# Altium PCB OZ440-SE100-CAR003.PcbDoc (part 1 of 5) (continued)
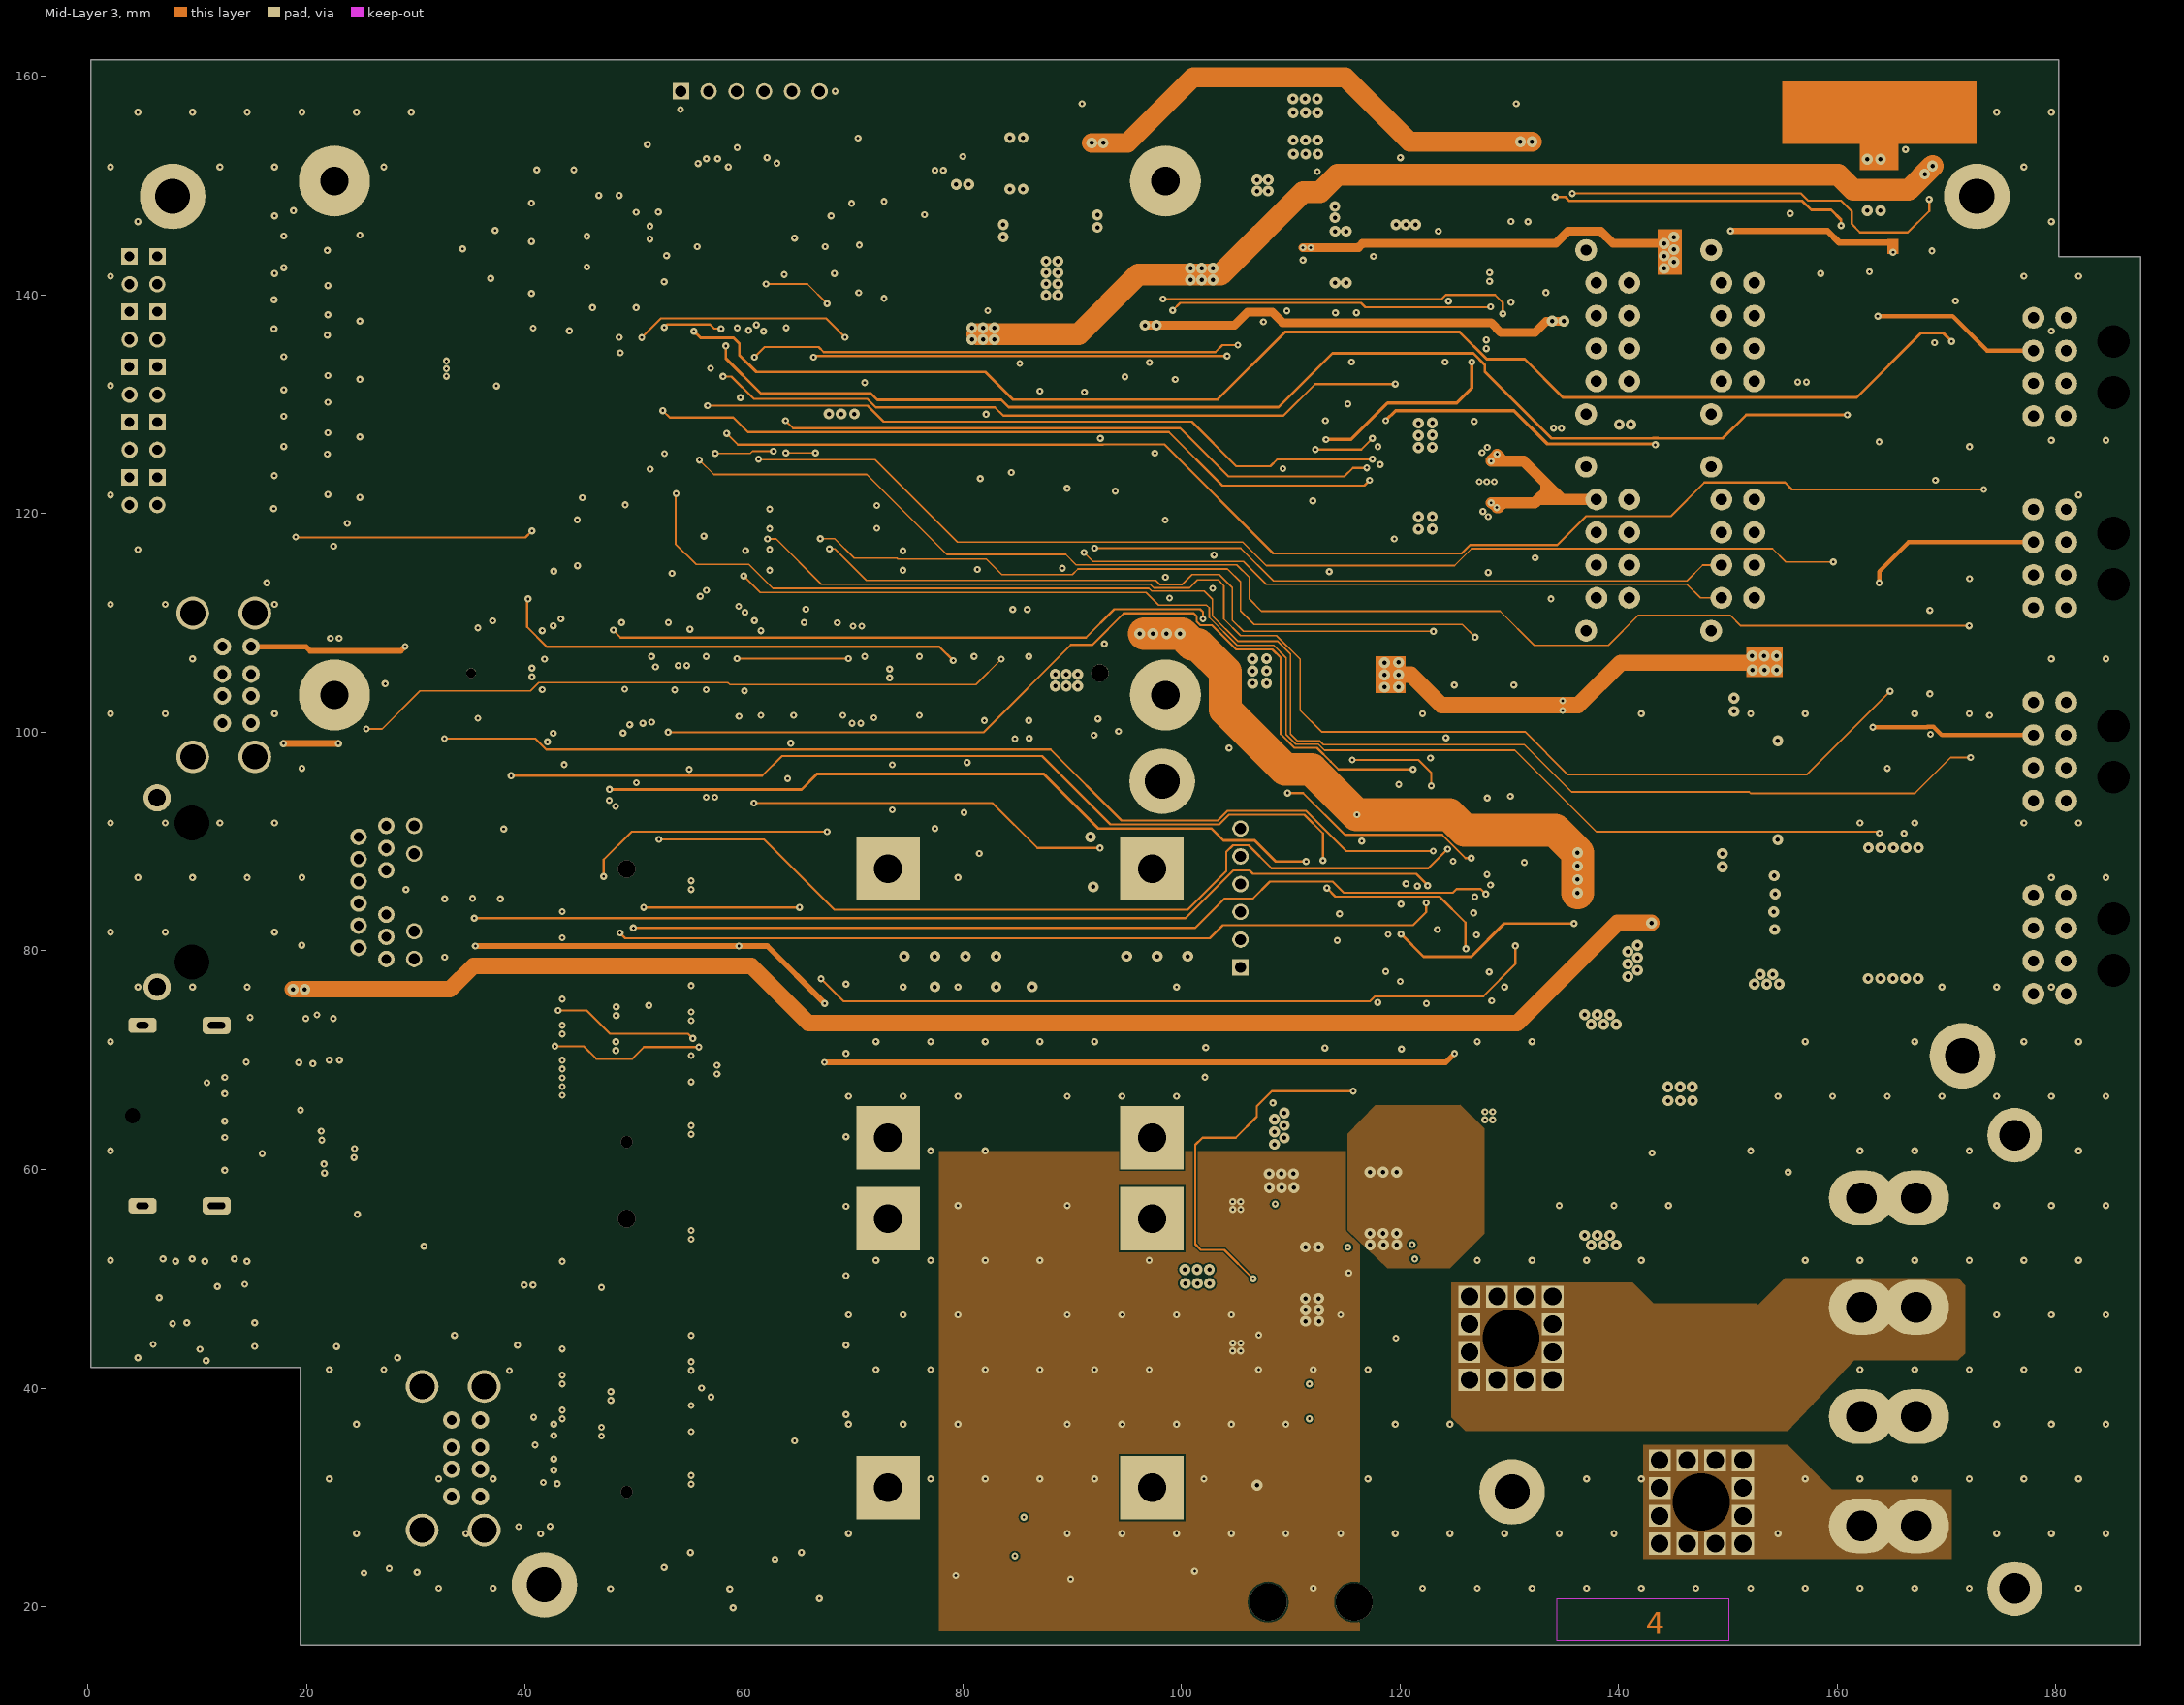
[diagram p4: Mid-Layer 3]
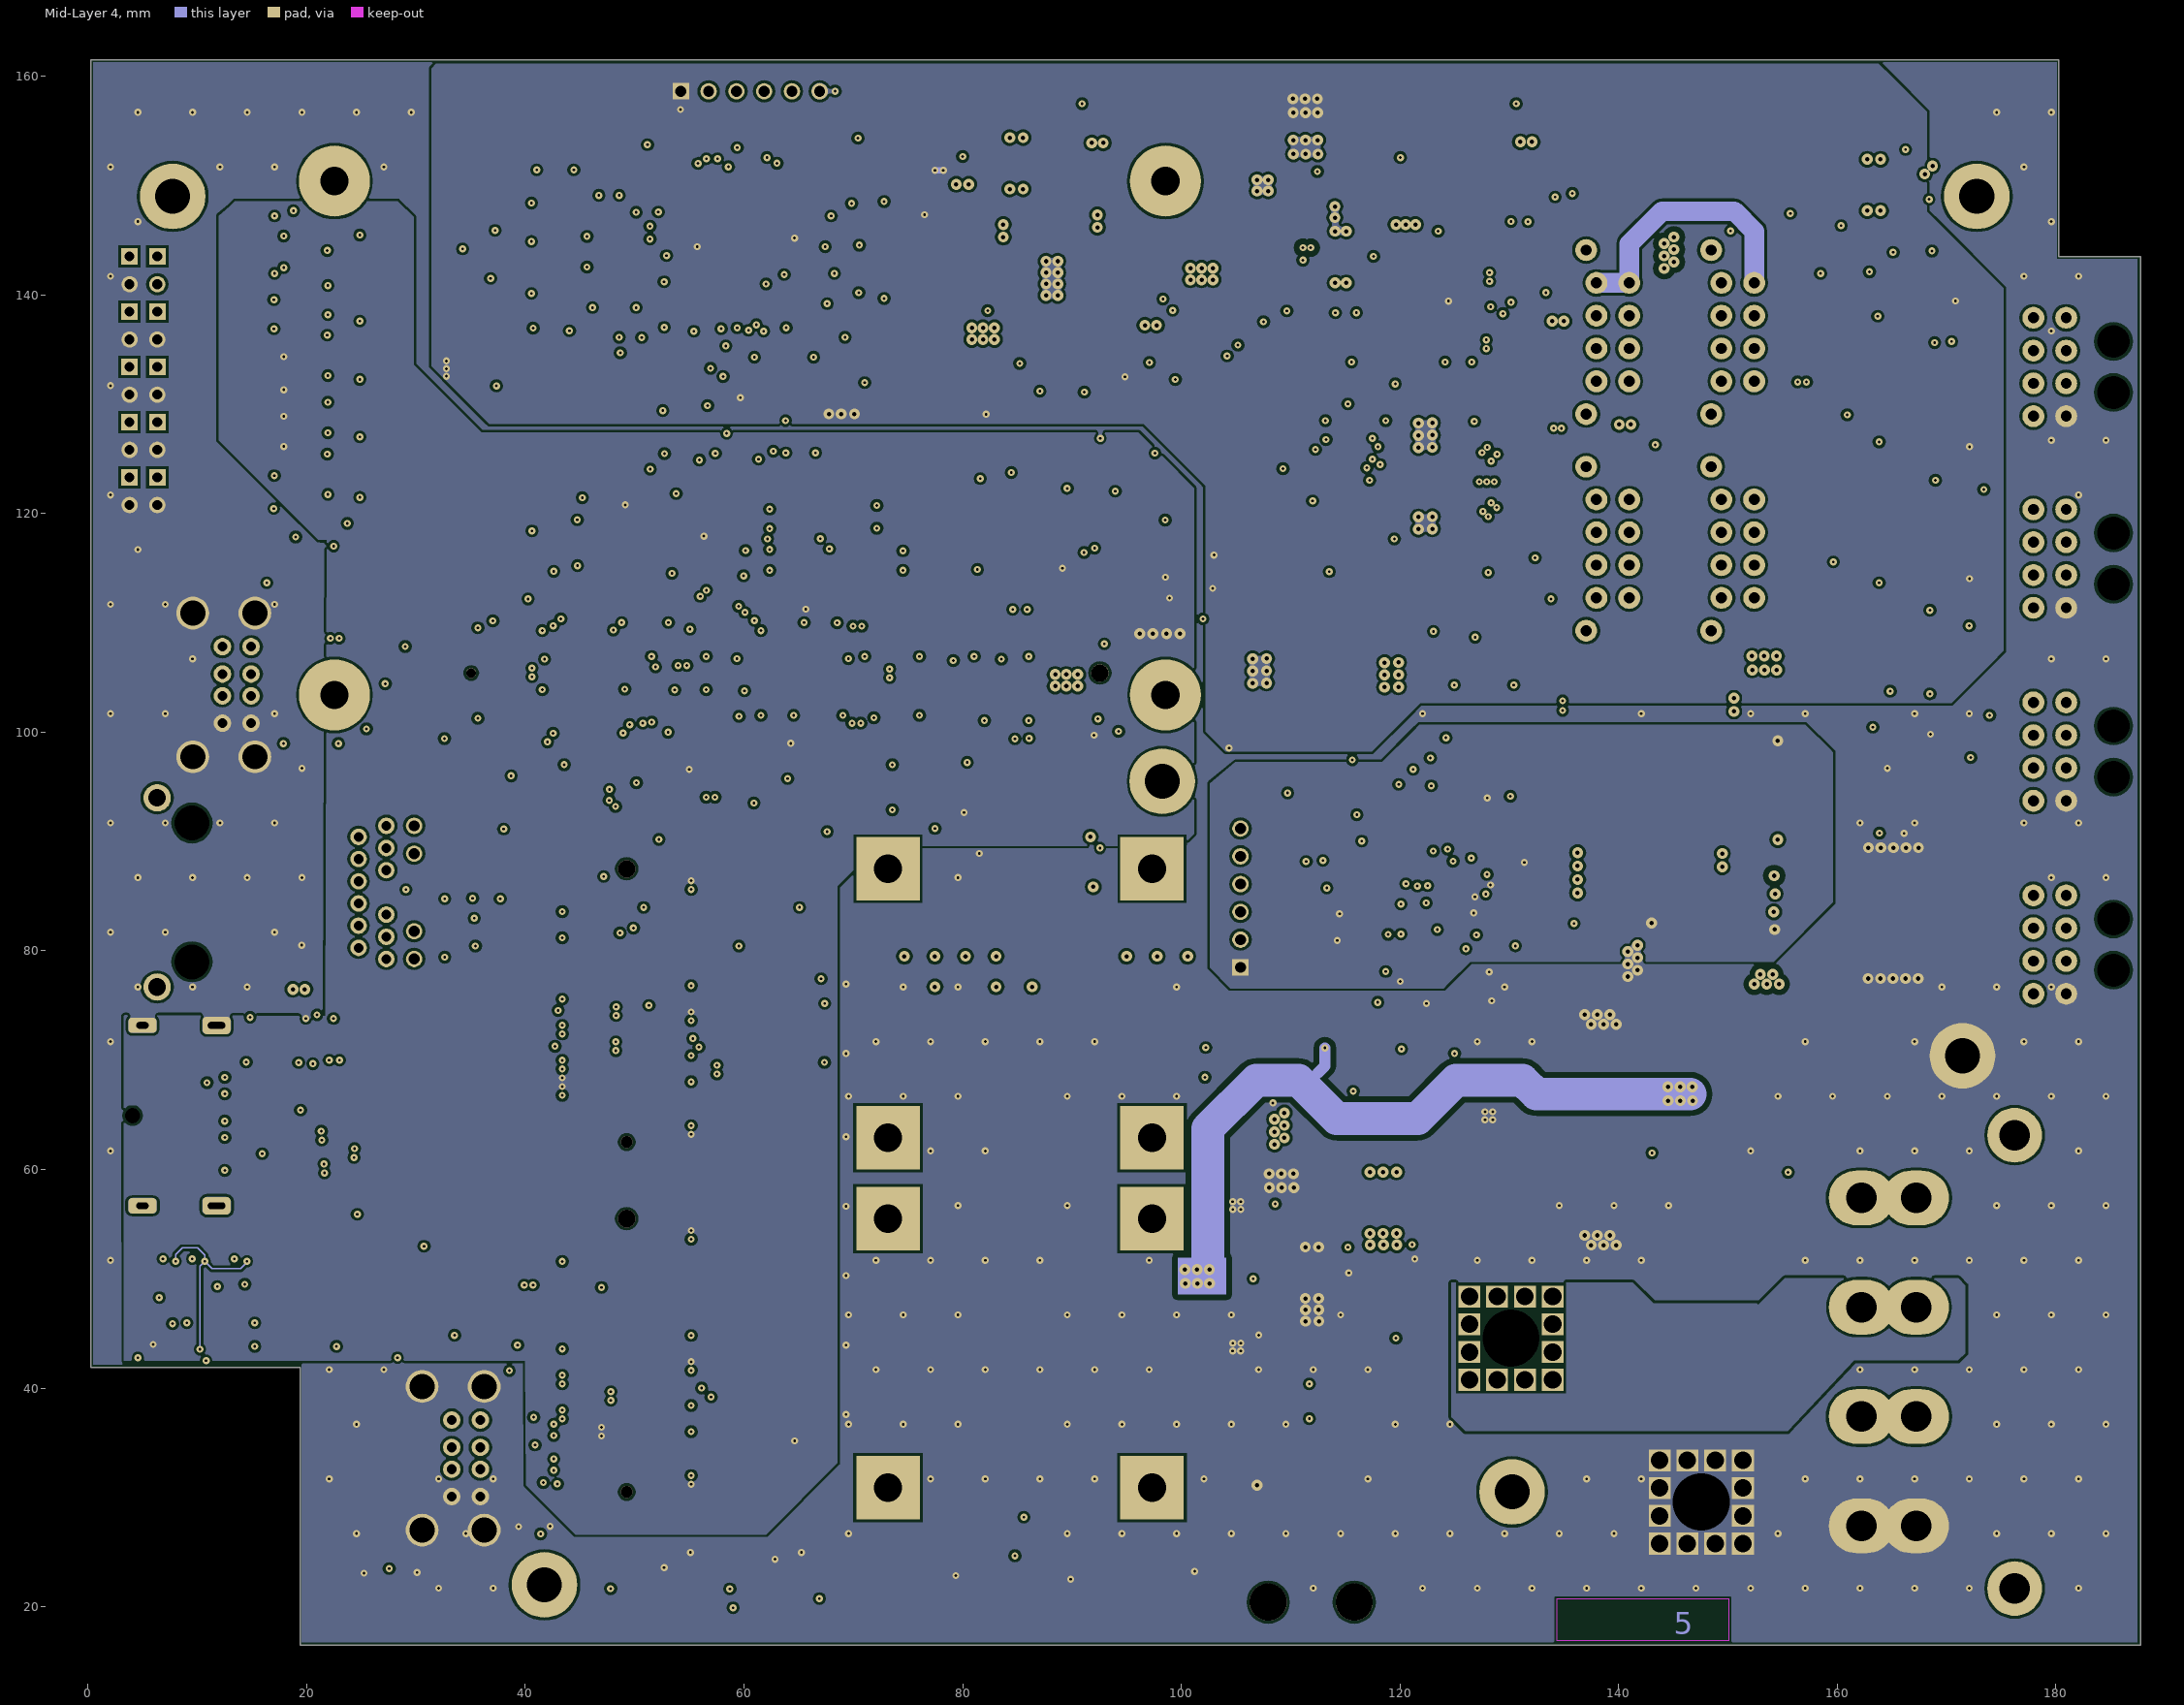
[diagram p5: Mid-Layer 4]
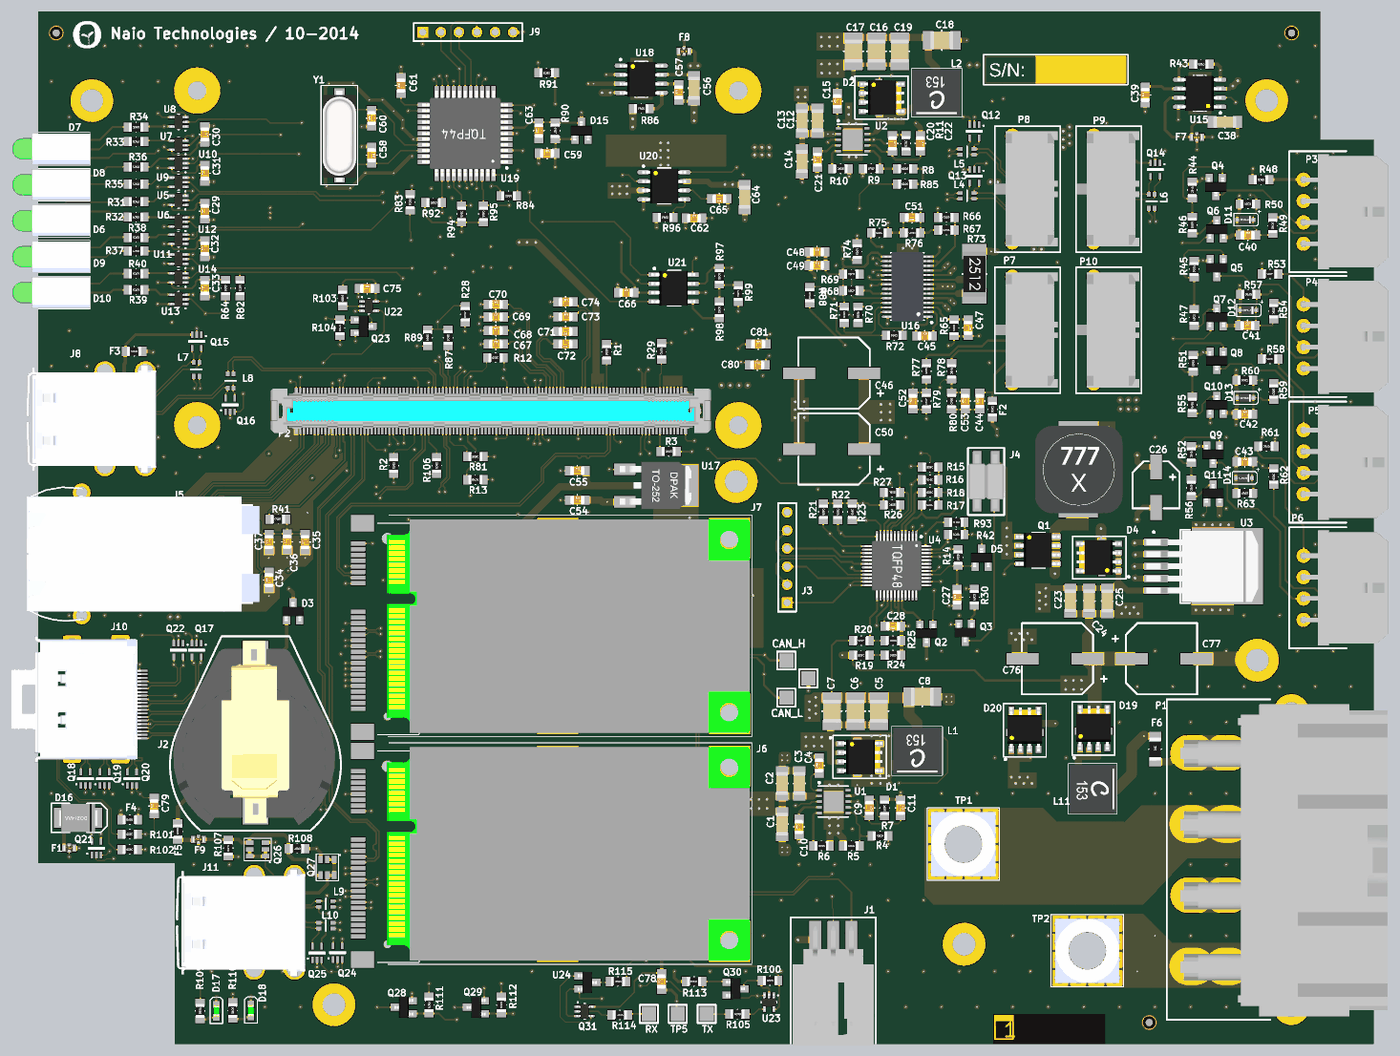
[diagram p10: 3D render of the assembled board from above, using the file's embedded part models]

## Layer stack, top to bottom
Top Layer: signal copper 0.0356
Dielectric: prepreg 0.123, FR-4, Dk 4.8
Mid-Layer 1: signal copper 0.0356
Dielectric: core 0.395, FR-4, Dk 4.8
Mid-Layer 2: signal copper 0.0356
Dielectric: prepreg 0.195, FR-4, Dk 4.8
Mid-Layer 3: signal copper 0.0356
Dielectric: core 0.395, FR-4, Dk 4.8
Mid-Layer 4: signal copper 0.0356
Dielectric: prepreg 0.123, FR-4, Dk 4.8
Bottom Layer: signal copper 0.0356

## Board outline
0.254,41.91 0.254,161.51 180.254,161.51 180.254,143.51 187.754,143.51 187.754,16.51 19.431,16.51 19.431,41.91

## Design rules (kind name [scope] priority, off if disabled: settings)
AssemblyTestPointUsage [All] p1: valid=2
Clearance "power in _ GND" [InNet('POWER_IN') vs OnLayer('Mid-Layer 1')] p1: gap=0.5
Clearance "power in _ GND 2" [InNet('POWER_IN') vs OnLayer('Mid-Layer 4')] p2: gap=0.5
Clearance Clearance_1 [OnLayer('Mid-Layer 4')] p3: gap=0.254
Clearance [All] p4: gap=0.15
DiffPairsRouting [(InNetClass('DispPort') OR InNetClass('Gbe') OR InNetClass('PCIe') OR InNetClass('Sata') OR InNetClass('Usb'))] p1: maxlimit=0.19 minlimit=0.15 mostfreqgap=0.19 toplayer_maxgap=0.15 toplayer_prefgap=0.15 midlayer1_mingap=0.19 midlayer2_mingap=0.19 midlayer3_mingap=0.19 midlayer4_mingap=0.19 bottomlayer_maxgap=0.15 bottomlayer_prefgap=0.15 maxuncoupledlength=12.7
FabricationTestPointUsage [All] p1: valid=2 allowmultiple=FALSE
HoleSize [All] p1: absolutevalues=TRUE maxlimit=6 minlimit=0.025 maxpercent=80.000 minpercent=20.000
MinimumSolderMaskSliver [All] p1: minsoldermaskwidth=0.07
PolygonConnect [All] p1: connectstyle=Direct reliefconductorwidth=0.254 reliefentries=4 polygonreliefangle="90 Angle" airgapwidth=0.254
RoutingVias [All] p1: holewidth=0.25 width=0.65 viastyle="Through Hole" minholewidth=0.25 minwidth=0.65 maxholewidth=4 maxwidth=4
SilkToSilkClearance [All] p1: silktosilkclearance=0.1
SilkscreenOverComponentPads [All] p1: minsilkscreentomaskgap=0.125
SolderMaskExpansion [All] p1: expansion=0.125
Width 50R [(InNetClass('DispPort') OR InNetClass('Gbe') OR InNetClass('PCIe') OR InNetClass('Sata') OR InNetClass('Usb'))] p1: maxlimit=0.21 minlimit=0.16 preferedwidth=0.16 toplayer_minwidth=0.21 toplayer_prefwidth=0.21 midlayer1_maxwidth=0.16 midlayer2_maxwidth=0.16 midlayer3_maxwidth=0.16 midlayer4_maxwidth=0.16 bottomlayer_minwidth=0.21 bottomlayer_prefwidth=0.21 minimp=50.000000 maximp=50.000000 favimp=50.000000
Width [All] p2: maxlimit=5 minlimit=0.15 preferedwidth=0.15
21 further rules are at their usual default settings.

## Classes and differential pairs
net class SEC_POWER: +3V3 +3V3_PERM +5V +12V +BATT
net class PRIM_POWER: POWER_IN
component class "USB cameras": C56 C57 C80 C81 F8 L4 L5 L6 P8 P9 Q12 Q13 Q14 R86 R87 U18
component class U_OZ440-SE100-CAR003_sheet7: C38 C39 C40 C41 C42 C43 D11 D12 D13 D14 F7 P3 P4 P5 P6 Q4 Q5 Q6 Q7 Q8 Q9 Q10 Q11 R42 R43 R44 R45 R46 R47 R48 R49 R50 R51 R52 R53 R54 R55 R56 R57 R58 R59 R60 R61 R62 R63 U15
component class Power_Management: C27 C28 D5 J3 J4 Q2 Q3 R14 R15 R16 R17 R18 R19 R20 R21 R22 R23 R24 R25 R26 R27 R28 R29 R30 R64 R82 U4
component class OZ440-SE100-CAR003_Sheet1: Cent1 Cent2 Cent3 P1 SN1 Stack-up TP1 TP2
component class "module CPU ATOM": P2 R1 R2 R3
component class "Disque SATA": J6
component class "CPU PIC": C58 C59 C60 C61 C62 C63 C64 C65 C66 D15 J1 J9 P10 R90 R91 R92 R93 R94 R95 R96 R97 R98 R99 U19 U20 U21 Y1
component class "Controle verin": C44 C45 C46 C47 C48 C49 C50 C51 C52 C53 F2 P7 R65 R66 R67 R68 R69 R70 R71 R72 R73 R74 R75 R76 R77 R78 R79 R80 R83 R84 R85 R88 U16
component class "Connecteur USB ext": F3 J8 L7 L8 Q15 Q16 R89
component class "Connecteur Gbe": C34 C35 C36 C37 J5 R41
component class "Carte MiniPCIe": C54 C55 J7 R12 R13 R81 TP6 TP7 TP_GND_CAN U17
component class Alimentation: C1 C2 C3 C4 C5 C6 C7 C8 C9 C10 C11 C12 C13 C14 C15 C16 C17 C18 C19 C20 C21 C22 C23 C24 C25 C26 D1 D2 D3 D4 J2 L1 L2 L3 Q1 R4 R5 R6 R7 R8 R9 R10 R11 U1 U2 U3
component class "Affichage LEDS": C29 C30 C31 C32 C33 D6 D7 D8 D9 D10 R31 R32 R33 R34 R35 R36 R37 R38 R39 R40 U5 U6 U7 U8 U9 U10 U11 U12 U13 U14
component class "Connecteur Ecran": C67 C68 C69 C70 C71 C72 C73 C74 C75 C79 D16 F1 F4 J10 Q17 Q18 Q19 Q20 Q21 Q22 Q23 R101 R102 R103 R104 U22
component class Filtre: C76 C77 D19 D20 F6 L11
component class U_OZ440-SE100-CAR003_sheet15: D17 D18 F5 F9 J11 L9 L10 Q24 Q25 Q26 Q27 Q28 Q29 R106 R107 R108 R109 R110 R111 R112
net class DispPort: DPX_AUX_N DPX_AUX_P DPX_LANE0_N DPX_LANE0_P DPX_LANE1_N DPX_LANE1_P DPX_LANE2_N DPX_LANE2_P DPX_LANE3_N DPX_LANE3_P DPX_UF_LANE0_N DPX_UF_LANE0_P DPX_UF_LANE1_N DPX_UF_LANE1_P DPX_UF_LANE2_N DPX_UF_LANE2_P DPX_UF_LANE3_N DPX_UF_LANE3_P
net class Gbe: MDI0_N MDI0_P MDI1_N MDI1_P MDI2_N MDI2_P MDI3_N MDI3_P
net class PCIe: PCIE_CLK_REF_N PCIE_CLK_REF_P PCIE_RX0_N PCIE_RX0_P PCIE_RX1_N PCIE_RX1_P PCIE_RX2_N PCIE_RX2_P PCIE_TX0_N PCIE_TX0_P PCIE_TX1_N PCIE_TX1_P PCIE_TX2_N PCIE_TX2_P
net class Sata: SATA0_RX_N SATA0_RX_P SATA0_TX_N SATA0_TX_P SATA1_RX_N SATA1_RX_P SATA1_TX_N SATA1_TX_P
net class Usb: USB0_N USB0_P USB1_N USB1_P USB3_N USB3_P USB4_N USB4_P USB5_N USB5_P USB6_N USB6_P USB7_N USB7_P
component class U_OZ440-SE100-CAR003_sheet17: C78 Q30 Q31 R100 R105 R113 R114 R115 RX TP5 TX U23 U24
differential pair PCIE_USB: +PCIE_USB_P -PCIE_USB_N
differential pair USB_C2: +USB_C2_P -USB_C2_N
differential pair USB_C1: +USB_C1_P -USB_C1_N
differential pair DPX_AUX: +DPX_AUX_P -DPX_AUX_N
differential pair DPX_LANE0: +DPX_LANE0_P -DPX_LANE0_N
differential pair DPX_LANE1: +DPX_LANE1_P -DPX_LANE1_N
differential pair DPX_LANE2: +DPX_LANE2_P -DPX_LANE2_N
differential pair DPX_LANE3: +DPX_LANE3_P -DPX_LANE3_N
differential pair MDI0: +MDI0_P -MDI0_N
differential pair MDI1: +MDI1_P -MDI1_N
differential pair MDI2: +MDI2_P -MDI2_N
differential pair MDI3: +MDI3_P -MDI3_N
differential pair PCIE_CLK_REF: +PCIE_CLK_REF_P -PCIE_CLK_REF_N
differential pair PCIE_RX0: +PCIE_RX0_P -PCIE_RX0_N
differential pair PCIE_RX1: +PCIE_RX1_P -PCIE_RX1_N
differential pair PCIE_RX2: +PCIE_RX2_P -PCIE_RX2_N
differential pair PCIE_TX0: +PCIE_TX0_P -PCIE_TX0_N
differential pair PCIE_TX1: +PCIE_TX1_P -PCIE_TX1_N
differential pair PCIE_TX2: +PCIE_TX2_P -PCIE_TX2_N
differential pair SATA0_RX: +SATA0_RX_P -SATA0_RX_N
differential pair SATA0_TX: +SATA0_TX_P -SATA0_TX_N
differential pair SATA1_RX: +SATA1_RX_P -SATA1_RX_N
differential pair SATA1_TX: +SATA1_TX_P -SATA1_TX_N
differential pair USB0: +USB0_P -USB0_N
differential pair USB1: +USB1_P -USB1_N
differential pair USB3: +USB3_P -USB3_N
differential pair USB4: +USB4_P -USB4_N
differential pair USB5: +USB5_P -USB5_N
differential pair USB6: +USB6_P -USB6_N
differential pair USB7: +USB7_P -USB7_N
differential pair USB_A_EXT: +USB_A_EXT_P -USB_A_EXT_N
differential pair USB_B_EXT: +USB_B_EXT_P -USB_B_EXT_N
differential pair USB_LID_EXT: +USB_LID_EXT_P -USB_LID_EXT_N
differential pair DPX_UF_LANE0: +DPX_UF_LANE0_P -DPX_UF_LANE0_N
differential pair DPX_UF_LANE1: +DPX_UF_LANE1_P -DPX_UF_LANE1_N
differential pair DPX_UF_LANE2: +DPX_UF_LANE2_P -DPX_UF_LANE2_N
differential pair DPX_UF_LANE3: +DPX_UF_LANE3_P -DPX_UF_LANE3_N

## Components (designator, comment, footprint, x,y, rotation, side; value= is the part's Value field where it differs from the comment)
C1 "CAP-SMD" C1206-STD 104.705,47.371 r270 top
C2 "CAP-SMD" C1206-STD 104.705,53.086 r90 top
C3 "CAP-SMD" C1206-STD 107.118,53.086 r90 top
C4 "CAP-SMD" C0805-STD 109.912,55.626 r90 top
C5 "CAP-SMD" C1210-STD 118.294,61.341 r90 top
C6 "CAP-SMD" C1210-STD 115.02,61.341 r90 top
C7 "CAP-SMD" C1210-STD 111.69,61.341 r90 top
C8 "CAP-SMD" C1210-STD 126.295,65.278 r180 top
C9 "CAP-SMD" C0805-STD 116.942,49.657 r270 top
C10 "CAP-SMD" C0805-STD 107.084,46.99 r90 top
C11 "CAP-SMD" C0805-STD 121.342,49.657 r270 top
C12 "CAP-SMD" C1206-STD 109.652,146.177 r90 top
C13 "CAP-SMD" C1206-STD 107.493,146.177 r90 top
C14 "CAP-SMD" C1206-STD 107.493,140.462 r270 top
C15 "CAP-SMD" C0805-STD 112.446,148.92 r90 top
C16 "CAP-SMD" C1210-STD 117.971,154.051 r90 top
C17 "CAP-SMD" C1210-STD 114.732,154.051 r90 top
C18 "CAP-SMD" C1210-STD 129.032,157.48 r180 top
C19 "CAP-SMD" C1210-STD 121.209,154.051 r90 top
C20 "CAP-SMD" C0805-STD 120.193,143.002 r270 top
C21 "CAP-SMD" C0805-STD 109.652,140.716 r90 top
C22 "CAP-SMD" C0805-STD 124.13,143.002 r270 top
C23 "CAP-SMD" C1206-STD 145.161,78.74 r270 top
C24 "CAP-SMD" C1206-STD 147.828,78.74 r270 top
C25 "CAP-SMD" C1206-STD 150.368,78.735 r270 top
C26 "CAP-POL-SMD" CAP-ELECTRO-SMD 157.226,97.536 r0 top locked
C27 "CAP-SMD" C0805-STD 129.286,79.254 r90 top
C28 "CAP-SMD" C0805-STD 120.269,75.184 r180 top
C29 "CAP-SMD" C0805-STD 23.622,133.477 r90 top locked
C30 "CAP-SMD" C0805-STD 23.622,144.272 r270 top locked
C31 "CAP-SMD" C0805-STD 23.622,138.811 r90 top locked
C32 "CAP-SMD" C0805-STD 23.622,128.213 r90 top locked
C33 "CAP-SMD" C0805-STD 23.622,122.682 r90 top locked
C34 "CAP-SMD" C0805-STD 32.639,81.661 r90 top
C35 "CAP-SMD" C0805-STD 37.719,86.995 r90 top
C36 "CAP-SMD" C0805-STD 35.179,87.046 r90 top
C37 "CAP-SMD" C0805-STD 32.639,86.995 r90 top
C38 "CAP-SMD" C1206-STD 166.878,145.999 r180 top
C39 "CAP-SMD" C0805-STD 155.702,149.809 r90 top
C40 "CAP-SMD" C0805-STD 170.104,130.118 r0 top
C41 "CAP-SMD" C0805-STD 170.053,117.411 r0 top
C42 "CAP-SMD" C0805-STD 169.672,104.966 r0 top
C43 "CAP-SMD" C0805-STD 169.672,98.296 r0 top
C44 "CAP-SMD" C0805-STD 132.461,106.807 r90 top
C45 "CAP-SMD" C0805-STD 124.714,115.951 r0 top
C46 "CAP-POL-SMD" CAP-ELECTRO-SMD_SIZE_G 116.205,110.728 r270 top
C47 "CAP-SMD" C0805-STD 130.81,117.094 r270 top
C48 "CAP-SMD" C0805-STD 109.601,127.762 r0 top
C49 "CAP-SMD" C0805-STD 109.601,125.857 r0 top
C50 "CAP-POL-SMD" CAP-ELECTRO-SMD_SIZE_G 116.205,100.06 r270 top
C51 "CAP-SMD" C0805-STD 122.942,132.596 r180 top
C52 "CAP-SMD" C0805-STD 123.064,106.807 r90 top
C53 "CAP-SMD" C0805-STD 130.414,106.807 r90 top
C54 "CAP-SMD" C0805-STD 75.946,92.899 r0 top
C55 "CAP-SMD" C0805-STD 75.946,97.019 r0 top
C56 "CAP-SMD" C1206-STD 92.329,150.749 r90 top
C57 "CAP-SMD" C0805-STD 90.17,150.166 r90 top
C58 "CAP-SMD" C0805-STD 47.052,141.351 r270 top
C59 "CAP-SMD" C0805-STD 71.695,141.605 r0 top
C60 "CAP-SMD" C0805-STD 47.052,146.558 r90 top
C61 "CAP-SMD" C0805-STD 51.181,151.13 r90 top
C62 "CAP-SMD" C0805-STD 92.329,132.506 r0 top
C63 "CAP-SMD" C0805-STD 70.552,144.78 r90 top
C64 "CAP-SMD" C1206-STD 99.441,135.445 r90 top
C65 "CAP-SMD" C0805-STD 95.885,135.223 r180 top
C66 "CAP-SMD" C0805-STD 82.804,122.035 r0 top
C67 "CAP-SMD" C0805-STD 64.503,114.808 r0 top
C68 "CAP-SMD" C0805-STD 64.503,116.713 r0 top
C69 "CAP-SMD" C0805-STD 64.503,118.618 r0 top
C70 "CAP-SMD" C0805-STD 64.503,120.396 r0 top
C71 "CAP-SMD" C0805-STD 74.295,116.586 r180 top
C72 "CAP-SMD" C0805-STD 74.295,114.808 r180 top
C73 "CAP-SMD" C0805-STD 74.295,118.658 r0 top
C74 "CAP-SMD" C0805-STD 74.295,120.732 r0 top
C75 "CAP-SMD" C0805-STD 46.417,122.625 r0 top
C76 "CAP-POL-SMD" CAP-ELECTRO-SMD_SIZE_G 147.574,70.612 r270 top locked
C77 "CAP-POL-SMD" CAP-ELECTRO-SMD_SIZE_G 153.797,70.612 r90 top locked
C78 "CAP-SMD" C0805-STD 87.757,25.273 r90 top
C79 "CAP-SMD" C0805-STD 16.51,49.911 r90 top
C80 "CAP-SMD" C0805-STD 101.346,114.808 r0 top
C81 "CAP-SMD" C0805-STD 101.219,111.887 r0 top
Cent1 "MEC-STD-CENTER" MEC-STD-CENTER 156.254,19.51 r90 top
Cent2 "MEC-STD-CENTER" MEC-STD-CENTER 2.754,158.51 r90 top
Cent3 "MEC-STD-CENTER" MEC-STD-CENTER 176.254,158.51 r90 top
D1 "MBR5100MFS-SO8" SO8-SPE-MBR5100MFS 115.373,56.769 r0 top
D2 "MBR5100MFS-SO8" SO8-SPE-MBR5100MFS 118.415,149.404 r0 top
D3 "BAS16-SOT23" SOT23-STD 36.017,78.384 r270 top
D4 "MBR5100MFS-SO8" SO8-SPE-MBR5100MFS 149.479,84.861 r180 top
D5 "BAS16-SOT23" SOT23-STD 132.715,85.943 r270 top
D6 "LED_DUAL" LED_3MM_DUAL 3.81,133.413 r270 top
D7 "LED_DUAL" LED_3MM_DUAL 3.81,143.51 r270 top
D8 "LED_DUAL" LED_3MM_DUAL 3.81,138.462 r270 top
D9 "LED_DUAL" LED_3MM_DUAL 3.81,128.365 r270 top
D10 "LED_DUAL" LED_3MM_DUAL 3.81,123.317 r270 top
D11 "DIODE_ZENER-SOD323" SOD323-SPE-BZX384 168.656,132.277 r0 top
D12 "DIODE_ZENER-SOD323" SOD323-SPE-BZX384 169.037,119.57 r0 top
D13 "DIODE_ZENER-SOD323" SOD323-SPE-BZX384 168.656,107.252 r0 top
D14 "DIODE_ZENER-SOD323" SOD323-SPE-BZX384 168.472,96.01 r0 top
D15 "BAS16-SOT23" SOT23-STD 76.524,145.923 r270 top
D16 "DIODE_SCHOTKY-DO214AA" DO214AA-STD 5.842,48.26 r0 top
D17 "LED" 0603-SPE-LED 25.248,21.149 r90 top
D18 "LED" 0603-SPE-LED 30.098,21.209 r90 top
D19 "MBR5100MFS-SO8" SO8-SPE-MBR5100MFS 148.463,60.579 r90 top